# Altium PCB STM32F207VC.PcbDoc (part 9 of 16)
Units mm, origin at the board's own origin, x right, y up, seen from the top; angles counter-clockwise.
Board outline 99.19 x 99.95 mm, 2 copper layers (Top Layer, Bottom Layer); 127 components, 125 nets, 570 pads, 172 vias.
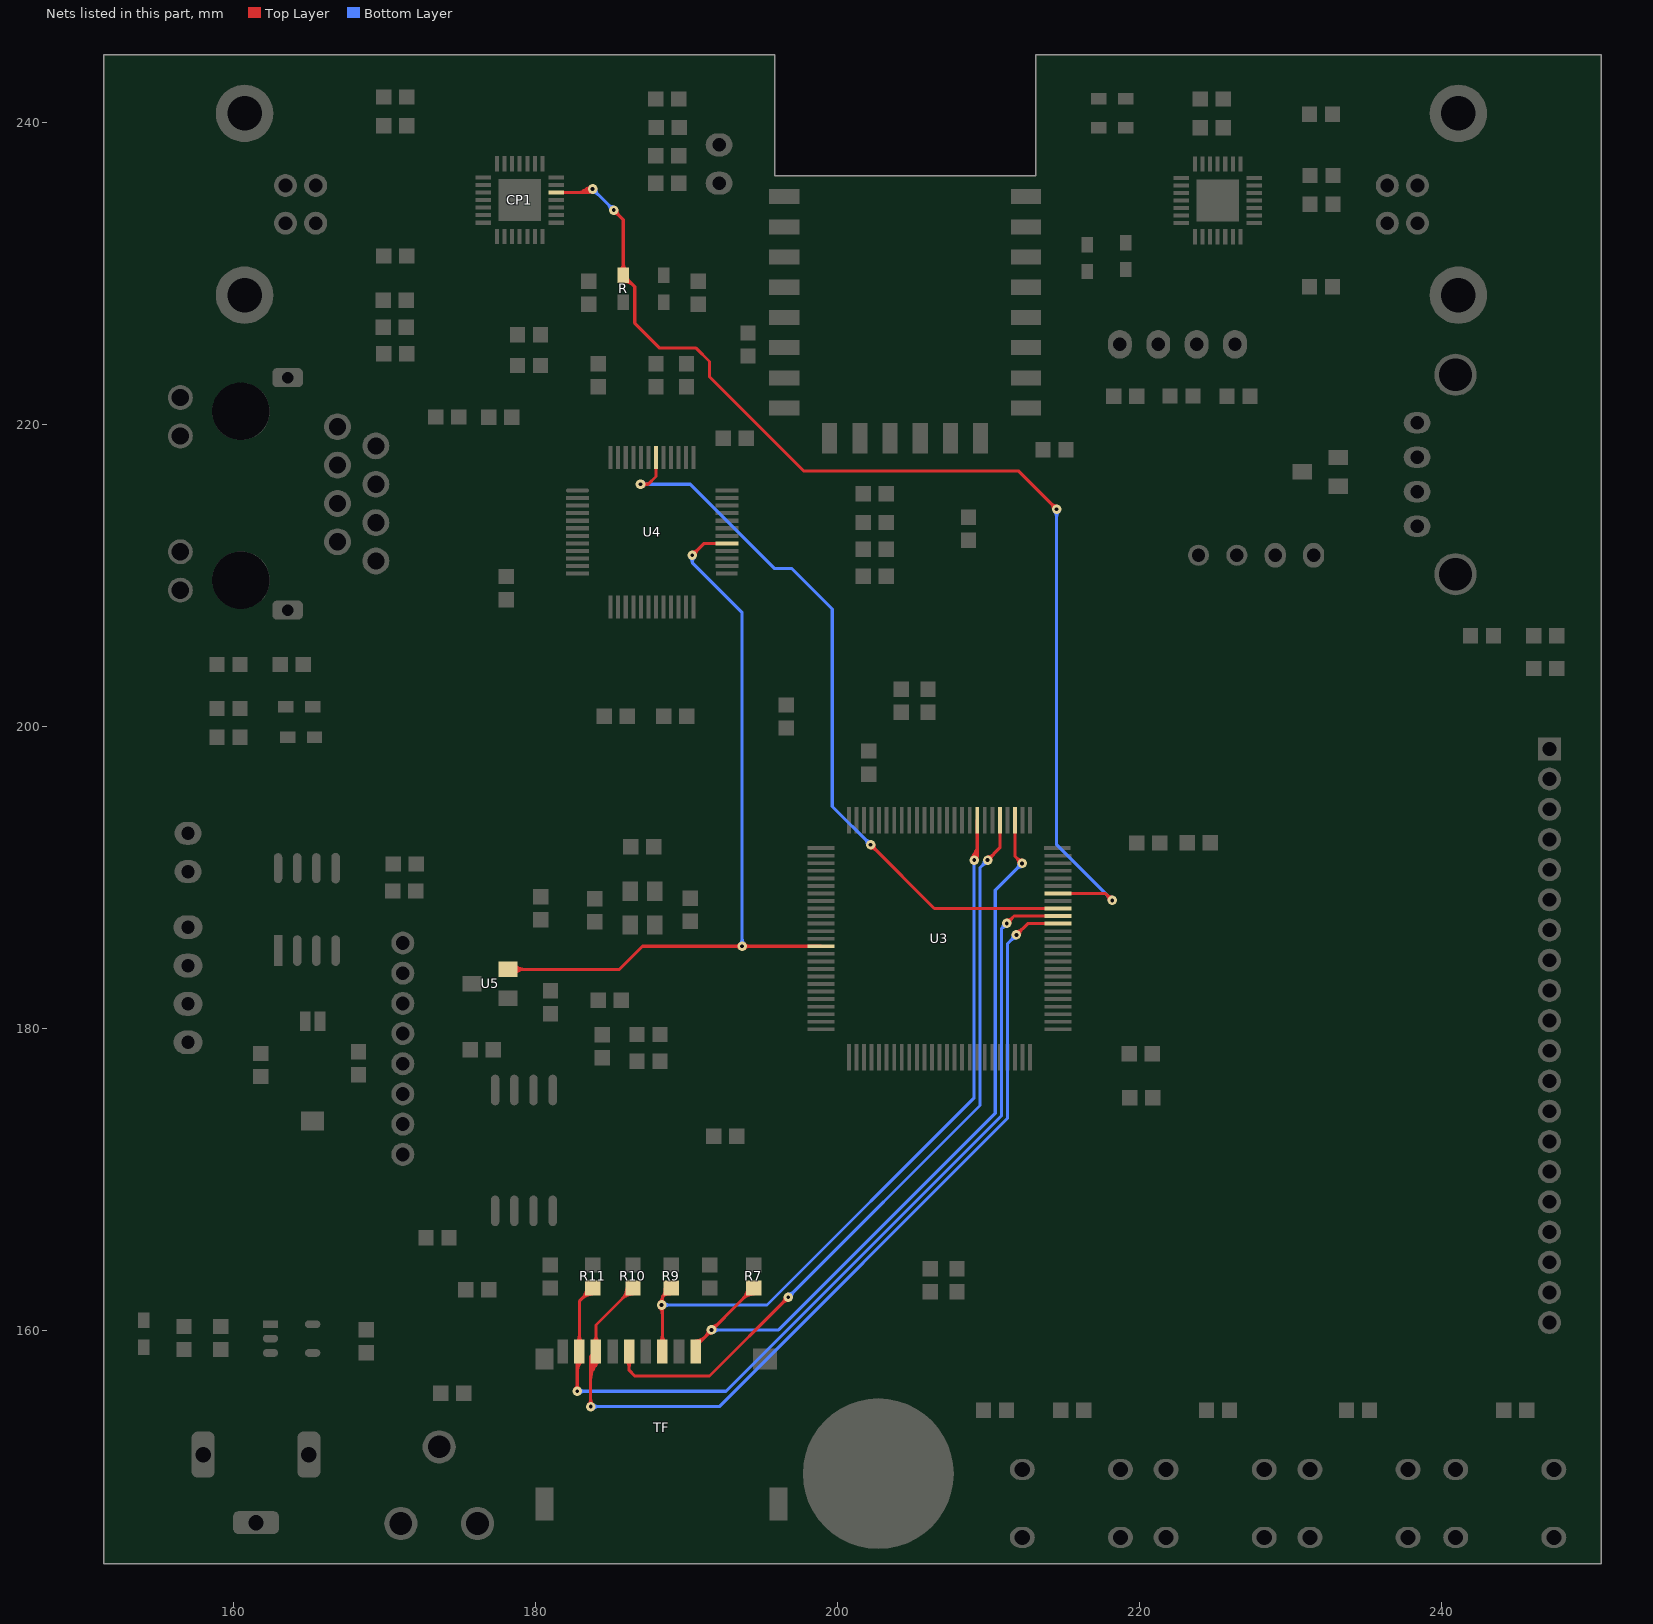
[diagram p9: the nets of this part, all layers, seen from the top]

## Via types
v1: diameter 0.635, hole 0.254, Top Layer to Bottom Layer, tented both sides, 152 vias
v2: diameter 0.635, hole 0.406, Top Layer to Bottom Layer, 18 vias
v3: diameter 1, hole 1, Top Layer to Bottom Layer, 2 vias

## Nets (pads, with @x,y where several pads share a name; then routed paths per layer and width w, separated by ;. In a path a pad name is that pad's centre, name@x,y a point inside that pad or via, vN(x,y) a via of type N, cw(c..) or ccw(c..) an arc to the next point about the centre after c; other vN are vias at no path point) (continued)
MCU_PHY_CLK: U3.67 U4.42 | length 67.6
  Top Layer w0.203: v1(186.944,216.027) 187.452,216.027 ; U4.42@187.965,217.815 187.965,216.54 187.452,216.027 ; v1(202.184,192.151) 206.407,187.928 U3.67@214.595,187.928 ; v1@187.099,215.877 cw(c187.452,215.537) 187.452,216.027 ; v1@187.099,215.877 cw(c187.452,215.537) 187.452,216.027 ; v1@187.099,215.877 cw(c187.452,215.537) 187.452,216.027 ; v1@187.099,215.877 cw(c187.452,215.537) 187.452,216.027 ; v1@187.099,216.177 ccw(c187.452,216.517) 187.452,216.027 ; v1@187.099,216.177 ccw(c187.452,216.517) 187.452,216.027 ; v1@187.099,216.177 ccw(c187.452,216.517) 187.452,216.027 ; v1@187.099,216.177 ccw(c187.452,216.517) 187.452,216.027 ; v1@202.181,192.139 cw(c202.104,191.759) 202.478,191.859 ; v1@202.181,192.139 cw(c202.104,191.759) 202.478,191.859 ; v1@202.181,192.139 cw(c202.104,191.759) 202.478,191.859 ; v1@202.181,192.139 cw(c202.104,191.759) 202.478,191.859 ; v1@202.181,192.139 cw(c202.104,191.759) 202.478,191.859 ; v1@202.181,192.139 cw(c202.104,191.759) 202.478,191.859 ; v1@202.184,191.935 cw(c202.184,191.414) 202.553,191.782 ; v1@202.184,191.935 cw(c202.184,191.414) 202.553,191.782 ; v1@202.184,191.935 cw(c202.184,191.414) 202.553,191.782 ; v1@202.184,191.935 cw(c202.184,191.414) 202.553,191.782 ; v1@202.196,192.154 ccw(c202.576,192.231) 202.476,191.857 ; v1@202.196,192.154 ccw(c202.576,192.231) 202.476,191.857 ; v1@202.196,192.154 ccw(c202.576,192.231) 202.476,191.857 ; v1@202.196,192.154 ccw(c202.576,192.231) 202.476,191.857 ; v1@202.196,192.154 ccw(c202.576,192.231) 202.476,191.857 ; v1@202.196,192.154 ccw(c202.576,192.231) 202.476,191.857 ; v1@202.4,192.151 ccw(c202.921,192.151) 202.553,191.782 ; v1@202.4,192.151 ccw(c202.921,192.151) 202.553,191.782 ; v1@202.4,192.151 ccw(c202.921,192.151) 202.553,191.782 ; v1@202.4,192.151 ccw(c202.921,192.151) 202.553,191.782
  Bottom Layer w0.203: v1(186.944,216.027) 190.246,216.027 195.834,210.439 196.977,210.439 199.644,207.772 199.644,194.691 v1(202.184,192.151) ; v1@187.097,215.874 cw(c187.465,215.506) 187.465,216.027 ; v1@187.097,215.874 cw(c187.465,215.506) 187.465,216.027 ; v1@187.097,215.874 cw(c187.465,215.506) 187.465,216.027 ; v1@187.097,215.874 cw(c187.465,215.506) 187.465,216.027 ; v1@187.097,216.18 ccw(c187.465,216.548) 187.465,216.027 ; v1@187.097,216.18 ccw(c187.465,216.548) 187.465,216.027 ; v1@187.097,216.18 ccw(c187.465,216.548) 187.465,216.027 ; v1@187.097,216.18 ccw(c187.465,216.548) 187.465,216.027 ; 201.815,192.52 cw(c201.447,192.151) v1@201.968,192.151 ; 201.815,192.52 ccw(c202.184,192.888) v1@202.184,192.367 ; 201.815,192.52 cw(c201.447,192.151) v1@201.968,192.151 ; 201.815,192.52 ccw(c202.184,192.888) v1@202.184,192.367 ; 201.815,192.52 ccw(c202.184,192.888) v1@202.184,192.367 ; 201.815,192.52 cw(c201.447,192.151) v1@201.968,192.151 ; 201.815,192.52 ccw(c202.184,192.888) v1@202.184,192.367 ; 201.815,192.52 cw(c201.447,192.151) v1@201.968,192.151
MCU_RST: U3.14 U4.29 U5.2 | length 78.8
  Top Layer w0.203: U5.2@178.168,183.896 185.547,183.896 187.079,185.428 v1(193.675,185.428) U3.14@198.895,185.428 ; v1(190.373,211.328) 191.157,212.112 U4.29@192.668,212.112 ; U5.2@178.582,183.609 cw(c179.276,182.915) 179.276,183.896 ; U5.2@178.582,183.609 cw(c179.276,182.915) 179.276,183.896 ; U5.2@178.582,183.609 cw(c179.276,182.915) 179.276,183.896 ; U5.2@178.582,183.609 cw(c179.276,182.915) 179.276,183.896 ; U5.2@178.582,184.183 ccw(c179.276,184.877) 179.276,183.896 ; U5.2@178.582,184.183 ccw(c179.276,184.877) 179.276,183.896 ; U5.2@178.582,184.183 ccw(c179.276,184.877) 179.276,183.896 ; U5.2@178.582,184.183 ccw(c179.276,184.877) 179.276,183.896 ; v1@190.37,211.34 ccw(c190.293,211.72) 190.667,211.62 ; v1@190.37,211.34 ccw(c190.293,211.72) 190.667,211.62 ; v1@190.37,211.34 ccw(c190.293,211.72) 190.667,211.62 ; v1@190.37,211.34 ccw(c190.293,211.72) 190.667,211.62 ; v1@190.37,211.34 ccw(c190.293,211.72) 190.667,211.62 ; v1@190.37,211.34 ccw(c190.293,211.72) 190.667,211.62 ; v1@190.373,211.544 ccw(c190.373,212.065) 190.742,211.697 ; v1@190.373,211.544 ccw(c190.373,212.065) 190.742,211.697 ; v1@190.373,211.544 ccw(c190.373,212.065) 190.742,211.697 ; v1@190.373,211.544 ccw(c190.373,212.065) 190.742,211.697 ; v1@190.385,211.325 cw(c190.765,211.248) 190.665,211.622 ; v1@190.385,211.325 cw(c190.765,211.248) 190.665,211.622 ; v1@190.385,211.325 cw(c190.765,211.248) 190.665,211.622 ; v1@190.385,211.325 cw(c190.765,211.248) 190.665,211.622 ; v1@190.385,211.325 cw(c190.765,211.248) 190.665,211.622 ; v1@190.385,211.325 cw(c190.765,211.248) 190.665,211.622 ; v1@190.589,211.328 cw(c191.11,211.328) 190.742,211.697 ; v1@190.589,211.328 cw(c191.11,211.328) 190.742,211.697 ; v1@190.589,211.328 cw(c191.11,211.328) 190.742,211.697 ; v1@190.589,211.328 cw(c191.11,211.328) 190.742,211.697 ; 193.154,185.428 cw(c193.154,184.907) v1@193.522,185.275 ; 193.154,185.428 ccw(c193.154,185.949) v1@193.522,185.581 ; 193.154,185.428 cw(c193.154,184.907) v1@193.522,185.275 ; 193.154,185.428 ccw(c193.154,185.949) v1@193.522,185.581 ; 193.154,185.428 ccw(c193.154,185.949) v1@193.522,185.581 ; 193.154,185.428 cw(c193.154,184.907) v1@193.522,185.275 ; 193.154,185.428 ccw(c193.154,185.949) v1@193.522,185.581 ; 193.154,185.428 cw(c193.154,184.907) v1@193.522,185.275 ; v1@193.828,185.275 cw(c194.196,184.907) 194.196,185.428 ; v1@193.828,185.275 cw(c194.196,184.907) 194.196,185.428 ; v1@193.828,185.275 cw(c194.196,184.907) 194.196,185.428 ; v1@193.828,185.275 cw(c194.196,184.907) 194.196,185.428 ; v1@193.828,185.581 ccw(c194.196,185.949) 194.196,185.428 ; v1@193.828,185.581 ccw(c194.196,185.949) 194.196,185.428 ; v1@193.828,185.581 ccw(c194.196,185.949) 194.196,185.428 ; v1@193.828,185.581 ccw(c194.196,185.949) 194.196,185.428
  Bottom Layer w0.203: v1(190.373,211.328) 190.373,210.82 ; v1(193.675,185.428) 193.675,207.518 190.373,210.82 ; v1@190.223,211.173 cw(c189.883,210.82) 190.373,210.82 ; v1@190.223,211.173 cw(c189.883,210.82) 190.373,210.82 ; v1@190.223,211.173 cw(c189.883,210.82) 190.373,210.82 ; v1@190.223,211.173 cw(c189.883,210.82) 190.373,210.82 ; 190.373,210.82 cw(c190.863,210.82) v1@190.523,211.173 ; 190.373,210.82 cw(c190.863,210.82) v1@190.523,211.173 ; 190.373,210.82 cw(c190.863,210.82) v1@190.523,211.173 ; 190.373,210.82 cw(c190.863,210.82) v1@190.523,211.173 ; v1@193.522,185.581 ccw(c193.154,185.949) 193.675,185.949 ; v1@193.522,185.581 ccw(c193.154,185.949) 193.675,185.949 ; v1@193.522,185.581 ccw(c193.154,185.949) 193.675,185.949 ; v1@193.522,185.581 ccw(c193.154,185.949) 193.675,185.949 ; 193.675,185.949 ccw(c194.196,185.949) v1@193.828,185.581 ; 193.675,185.949 ccw(c194.196,185.949) v1@193.828,185.581 ; 193.675,185.949 ccw(c194.196,185.949) v1@193.828,185.581 ; 193.675,185.949 ccw(c194.196,185.949) v1@193.828,185.581
MCU_RXD: CP1.26 R.2@185.801,229.87 U3.69 | length 148
  Top Layer w0.203: CP1.26@181.356,235.348 183.532,235.348 ; v1(183.769,235.585) 183.532,235.348 ; v1(185.166,234.188) 185.801,233.553 R.2@185.801,229.87 186.563,229.108 186.563,226.695 188.214,225.044 190.627,225.044 191.516,224.155 191.516,223.139 197.739,216.916 211.963,216.916 v1(214.503,214.376) ; U3.69@214.595,188.928 217.726,188.928 v1(218.186,188.468) ; 182.677,235.348 ccw(c182.677,236.677) v1@183.616,235.738 ; 182.677,235.348 ccw(c182.677,236.677) v1@183.616,235.738 ; 182.677,235.348 ccw(c182.677,236.677) v1@183.616,235.738 ; 182.677,235.348 ccw(c182.677,236.677) v1@183.616,235.738 ; 183.125,235.454 cw(c183.352,235.061) v1@183.635,235.416 ; 183.125,235.454 cw(c183.352,235.061) v1@183.635,235.416 ; 183.125,235.454 cw(c183.352,235.061) v1@183.635,235.416 ; 183.125,235.454 cw(c183.352,235.061) v1@183.635,235.416 ; 183.125,235.454 cw(c183.352,235.061) v1@183.635,235.416 ; 183.167,235.348 ccw(c183.167,236.187) v1@183.76,235.594 ; 183.167,235.348 ccw(c183.167,236.187) v1@183.76,235.594 ; 183.167,235.348 ccw(c183.167,236.187) v1@183.76,235.594 ; 183.167,235.348 ccw(c183.167,236.187) v1@183.76,235.594 ; 183.383,235.603 cw(c183.552,235.312) v1@183.761,235.575 ; 183.383,235.603 cw(c183.552,235.312) v1@183.761,235.575 ; 183.383,235.603 cw(c183.552,235.312) v1@183.761,235.575 ; 183.383,235.603 cw(c183.552,235.312) v1@183.761,235.575 ; 183.383,235.603 cw(c183.552,235.312) v1@183.761,235.575 ; 183.39,235.381 cw(c183.542,235.117) v1@183.675,235.391 ; 183.39,235.381 ccw(c183.22,235.675) v1@183.556,235.62 ; 183.39,235.381 cw(c183.542,235.117) v1@183.675,235.391 ; 183.39,235.381 ccw(c183.22,235.675) v1@183.556,235.62 ; 183.39,235.381 cw(c183.542,235.117) v1@183.675,235.391 ; 183.39,235.381 ccw(c183.22,235.675) v1@183.556,235.62 ; 183.39,235.381 ccw(c183.22,235.675) v1@183.556,235.62 ; 183.39,235.381 cw(c183.542,235.117) v1@183.675,235.391 ; 183.39,235.381 ccw(c183.22,235.675) v1@183.556,235.62 ; 183.39,235.381 cw(c183.542,235.117) v1@183.675,235.391 ; 183.39,235.381 ccw(c183.22,235.675) v1@183.556,235.62 ; 183.39,235.381 cw(c183.542,235.117) v1@183.675,235.391 ; 183.532,235.348 cw(c183.639,235.241) v1@183.693,235.383 ; 183.532,235.348 ccw(c183.425,235.455) v1@183.567,235.509 ; 183.532,235.348 cw(c183.639,235.241) v1@183.693,235.383 ; 183.532,235.348 ccw(c183.425,235.455) v1@183.567,235.509 ; 183.532,235.348 ccw(c183.425,235.455) v1@183.567,235.509 ; 183.532,235.348 cw(c183.639,235.241) v1@183.693,235.383 ; 183.532,235.348 ccw(c183.425,235.455) v1@183.567,235.509 ; 183.532,235.348 cw(c183.639,235.241) v1@183.693,235.383 ; v1@185.163,234.176 cw(c185.086,233.796) 185.46,233.896 ; v1@185.163,234.176 cw(c185.086,233.796) 185.46,233.896 ; v1@185.163,234.176 cw(c185.086,233.796) 185.46,233.896 ; v1@185.163,234.176 cw(c185.086,233.796) 185.46,233.896 ; v1@185.163,234.176 cw(c185.086,233.796) 185.46,233.896 ; v1@185.163,234.176 cw(c185.086,233.796) 185.46,233.896 ; v1@185.166,233.972 cw(c185.166,233.451) 185.535,233.819 ; v1@185.166,233.972 cw(c185.166,233.451) 185.535,233.819 ; v1@185.166,233.972 cw(c185.166,233.451) 185.535,233.819 ; v1@185.166,233.972 cw(c185.166,233.451) 185.535,233.819 ; v1@185.178,234.191 ccw(c185.558,234.268) 185.458,233.894 ; v1@185.178,234.191 ccw(c185.558,234.268) 185.458,233.894 ; v1@185.178,234.191 ccw(c185.558,234.268) 185.458,233.894 ; v1@185.178,234.191 ccw(c185.558,234.268) 185.458,233.894 ; v1@185.178,234.191 ccw(c185.558,234.268) 185.458,233.894 ; v1@185.178,234.191 ccw(c185.558,234.268) 185.458,233.894 ; v1@185.382,234.188 ccw(c185.903,234.188) 185.535,233.819 ; v1@185.382,234.188 ccw(c185.903,234.188) 185.535,233.819 ; v1@185.382,234.188 ccw(c185.903,234.188) 185.535,233.819 ; v1@185.382,234.188 ccw(c185.903,234.188) 185.535,233.819 ; R.2@185.603,230.195 ccw(c185.126,230.672) 185.801,230.672 ; R.2@185.603,230.195 ccw(c185.126,230.672) 185.801,230.672 ; R.2@185.603,230.195 ccw(c185.126,230.672) 185.801,230.672 ; R.2@185.603,230.195 ccw(c185.126,230.672) 185.801,230.672 ; R.2@185.681,229.7 ccw(c186.113,229.854) R.2@185.994,229.412 ; R.2@185.681,229.7 ccw(c186.113,229.854) R.2@185.994,229.412 ; R.2@185.681,229.7 ccw(c186.113,229.854) R.2@185.994,229.412 ; R.2@185.681,229.7 ccw(c186.113,229.854) R.2@185.994,229.412 ; R.2@185.681,229.7 ccw(c186.113,229.854) R.2@185.994,229.412 ; R.2@185.801,229.464 cw(c185.801,228.482) 186.495,229.176 ; R.2@185.801,229.464 cw(c185.801,228.482) 186.495,229.176 ; R.2@185.801,229.464 cw(c185.801,228.482) 186.495,229.176 ; R.2@185.801,229.464 cw(c185.801,228.482) 186.495,229.176 ; R.2@185.801,229.667 cw(c185.801,229.176) R.2@186.148,229.523 ; R.2@185.801,229.667 cw(c185.801,229.176) R.2@186.148,229.523 ; R.2@185.801,229.667 cw(c185.801,229.176) R.2@186.148,229.523 ; R.2@185.801,229.667 cw(c185.801,229.176) R.2@186.148,229.523 ; 185.801,230.672 ccw(c186.476,230.672) R.2@185.999,230.195 ; 185.801,230.672 ccw(c186.476,230.672) R.2@185.999,230.195 ; 185.801,230.672 ccw(c186.476,230.672) R.2@185.999,230.195 ; 185.801,230.672 ccw(c186.476,230.672) R.2@185.999,230.195 ; R.2@185.873,229.769 ccw(c186.557,230.013) 186.369,229.311 ; R.2@185.873,229.769 ccw(c186.557,230.013) 186.369,229.311 ; R.2@185.873,229.769 ccw(c186.557,230.013) 186.369,229.311 ; R.2@185.873,229.769 ccw(c186.557,230.013) 186.369,229.311 ; R.2@185.873,229.769 ccw(c186.557,230.013) 186.369,229.311 ; R.2@186.08,229.743 ccw(c186.448,229.743) 186.188,229.483 ; R.2@186.08,229.743 ccw(c186.448,229.743) 186.188,229.483 ; R.2@186.08,229.743 ccw(c186.448,229.743) 186.188,229.483 ; R.2@186.08,229.743 ccw(c186.448,229.743) 186.188,229.483 ; 214.134,214.745 cw(c213.766,214.376) v1@214.287,214.376 ; 214.134,214.745 ccw(c214.503,215.113) v1@214.503,214.592 ; 214.134,214.745 cw(c213.766,214.376) v1@214.287,214.376 ; 214.134,214.745 ccw(c214.503,215.113) v1@214.503,214.592 ; 214.134,214.745 ccw(c214.503,215.113) v1@214.503,214.592 ; 214.134,214.745 cw(c213.766,214.376) v1@214.287,214.376 ; 214.134,214.745 ccw(c214.503,215.113) v1@214.503,214.592 ; 214.134,214.745 cw(c213.766,214.376) v1@214.287,214.376 ; 214.209,214.668 ccw(c214.583,214.768) v1@214.506,214.388 ; 214.209,214.668 ccw(c214.583,214.768) v1@214.506,214.388 ; 214.209,214.668 ccw(c214.583,214.768) v1@214.506,214.388 ; 214.209,214.668 ccw(c214.583,214.768) v1@214.506,214.388 ; 214.209,214.668 ccw(c214.583,214.768) v1@214.506,214.388 ; 214.209,214.668 ccw(c214.583,214.768) v1@214.506,214.388 ; 214.211,214.67 cw(c214.111,214.296) v1@214.491,214.373 ; 214.211,214.67 cw(c214.111,214.296) v1@214.491,214.373 ; 214.211,214.67 cw(c214.111,214.296) v1@214.491,214.373 ; 214.211,214.67 cw(c214.111,214.296) v1@214.491,214.373 ; 214.211,214.67 cw(c214.111,214.296) v1@214.491,214.373 ; 214.211,214.67 cw(c214.111,214.296) v1@214.491,214.373 ; 217.817,188.837 cw(c217.449,188.468) v1@217.97,188.468 ; 217.817,188.837 ccw(c218.186,189.205) v1@218.186,188.684 ; 217.817,188.837 cw(c217.449,188.468) v1@217.97,188.468 ; 217.817,188.837 ccw(c218.186,189.205) v1@218.186,188.684 ; 217.817,188.837 ccw(c218.186,189.205) v1@218.186,188.684 ; 217.817,188.837 cw(c217.449,188.468) v1@217.97,188.468 ; 217.817,188.837 ccw(c218.186,189.205) v1@218.186,188.684 ; 217.817,188.837 cw(c217.449,188.468) v1@217.97,188.468 ; 217.892,188.76 ccw(c218.266,188.86) v1@218.189,188.48 ; 217.892,188.76 ccw(c218.266,188.86) v1@218.189,188.48 ; 217.892,188.76 ccw(c218.266,188.86) v1@218.189,188.48 ; 217.892,188.76 ccw(c218.266,188.86) v1@218.189,188.48 ; 217.892,188.76 ccw(c218.266,188.86) v1@218.189,188.48 ; 217.892,188.76 ccw(c218.266,188.86) v1@218.189,188.48 ; 217.894,188.762 cw(c217.794,188.388) v1@218.174,188.465 ; 217.894,188.762 cw(c217.794,188.388) v1@218.174,188.465 ; 217.894,188.762 cw(c217.794,188.388) v1@218.174,188.465 ; 217.894,188.762 cw(c217.794,188.388) v1@218.174,188.465 ; 217.894,188.762 cw(c217.794,188.388) v1@218.174,188.465 ; 217.894,188.762 cw(c217.794,188.388) v1@218.174,188.465
  Bottom Layer w0.203: v1(183.769,235.585) v1(185.166,234.188) ; v1(214.503,214.376) 214.503,192.151 v1(218.186,188.468) ; v1@183.769,235.369 cw(c183.769,234.848) 184.138,235.216 ; v1@183.769,235.369 cw(c183.769,234.848) 184.138,235.216 ; v1@183.769,235.369 cw(c183.769,234.848) 184.138,235.216 ; v1@183.769,235.369 cw(c183.769,234.848) 184.138,235.216 ; v1@183.985,235.585 ccw(c184.506,235.585) 184.138,235.216 ; v1@183.985,235.585 ccw(c184.506,235.585) 184.138,235.216 ; v1@183.985,235.585 ccw(c184.506,235.585) 184.138,235.216 ; v1@183.985,235.585 ccw(c184.506,235.585) 184.138,235.216 ; 184.797,234.557 cw(c184.429,234.188) v1@184.95,234.188 ; 184.797,234.557 ccw(c185.166,234.925) v1@185.166,234.404 ; 184.797,234.557 cw(c184.429,234.188) v1@184.95,234.188 ; 184.797,234.557 ccw(c185.166,234.925) v1@185.166,234.404 ; 184.797,234.557 ccw(c185.166,234.925) v1@185.166,234.404 ; 184.797,234.557 cw(c184.429,234.188) v1@184.95,234.188 ; 184.797,234.557 ccw(c185.166,234.925) v1@185.166,234.404 ; 184.797,234.557 cw(c184.429,234.188) v1@184.95,234.188 ; v1@214.35,214.223 cw(c213.982,213.855) 214.503,213.855 ; v1@214.35,214.223 cw(c213.982,213.855) 214.503,213.855 ; v1@214.35,214.223 cw(c213.982,213.855) 214.503,213.855 ; v1@214.35,214.223 cw(c213.982,213.855) 214.503,213.855 ; 214.503,213.855 cw(c215.024,213.855) v1@214.656,214.223 ; 214.503,213.855 cw(c215.024,213.855) v1@214.656,214.223 ; 214.503,213.855 cw(c215.024,213.855) v1@214.656,214.223 ; 214.503,213.855 cw(c215.024,213.855) v1@214.656,214.223 ; 217.817,188.837 cw(c217.449,188.468) v1@217.97,188.468 ; 217.817,188.837 ccw(c218.186,189.205) v1@218.186,188.684 ; 217.817,188.837 cw(c217.449,188.468) v1@217.97,188.468 ; 217.817,188.837 ccw(c218.186,189.205) v1@218.186,188.684 ; 217.817,188.837 ccw(c218.186,189.205) v1@218.186,188.684 ; 217.817,188.837 cw(c217.449,188.468) v1@217.97,188.468 ; 217.817,188.837 ccw(c218.186,189.205) v1@218.186,188.684 ; 217.817,188.837 cw(c217.449,188.468) v1@217.97,188.468
MCU_SDIO_CLK: TF.5 U3.80 | length 78.7
  Top Layer w0.203: TF.5@186.191,158.593 186.191,157.344 186.563,156.972 191.516,156.972 v1(196.723,162.179) ; v1(209.931,191.135) 210.745,191.949 U3.80@210.745,193.778 ; TF.5@186.015,157.967 cw(c185.591,157.543) 186.191,157.543 ; TF.5@186.015,157.967 cw(c185.591,157.543) 186.191,157.543 ; TF.5@186.015,157.967 cw(c185.591,157.543) 186.191,157.543 ; TF.5@186.015,157.967 cw(c185.591,157.543) 186.191,157.543 ; 186.191,157.543 cw(c186.791,157.543) TF.5@186.367,157.967 ; 186.191,157.543 cw(c186.791,157.543) TF.5@186.367,157.967 ; 186.191,157.543 cw(c186.791,157.543) TF.5@186.367,157.967 ; 186.191,157.543 cw(c186.791,157.543) TF.5@186.367,157.967 ; 196.354,161.81 cw(c196.723,161.442) v1@196.723,161.963 ; 196.354,161.81 ccw(c195.986,162.179) v1@196.507,162.179 ; 196.354,161.81 cw(c196.723,161.442) v1@196.723,161.963 ; 196.354,161.81 ccw(c195.986,162.179) v1@196.507,162.179 ; 196.354,161.81 ccw(c195.986,162.179) v1@196.507,162.179 ; 196.354,161.81 cw(c196.723,161.442) v1@196.723,161.963 ; 196.354,161.81 ccw(c195.986,162.179) v1@196.507,162.179 ; 196.354,161.81 cw(c196.723,161.442) v1@196.723,161.963 ; 196.429,161.887 cw(c196.803,161.787) v1@196.726,162.167 ; 196.429,161.887 cw(c196.803,161.787) v1@196.726,162.167 ; 196.429,161.887 cw(c196.803,161.787) v1@196.726,162.167 ; 196.429,161.887 cw(c196.803,161.787) v1@196.726,162.167 ; 196.429,161.887 cw(c196.803,161.787) v1@196.726,162.167 ; 196.429,161.887 cw(c196.803,161.787) v1@196.726,162.167 ; 196.431,161.885 ccw(c196.331,162.259) v1@196.711,162.182 ; 196.431,161.885 ccw(c196.331,162.259) v1@196.711,162.182 ; 196.431,161.885 ccw(c196.331,162.259) v1@196.711,162.182 ; 196.431,161.885 ccw(c196.331,162.259) v1@196.711,162.182 ; 196.431,161.885 ccw(c196.331,162.259) v1@196.711,162.182 ; 196.431,161.885 ccw(c196.331,162.259) v1@196.711,162.182 ; v1@209.928,191.147 ccw(c209.851,191.527) 210.225,191.427 ; v1@209.928,191.147 ccw(c209.851,191.527) 210.225,191.427 ; v1@209.928,191.147 ccw(c209.851,191.527) 210.225,191.427 ; v1@209.928,191.147 ccw(c209.851,191.527) 210.225,191.427 ; v1@209.928,191.147 ccw(c209.851,191.527) 210.225,191.427 ; v1@209.928,191.147 ccw(c209.851,191.527) 210.225,191.427 ; v1@209.931,191.351 ccw(c209.931,191.872) 210.3,191.504 ; v1@209.931,191.351 ccw(c209.931,191.872) 210.3,191.504 ; v1@209.931,191.351 ccw(c209.931,191.872) 210.3,191.504 ; v1@209.931,191.351 ccw(c209.931,191.872) 210.3,191.504 ; v1@209.943,191.132 cw(c210.323,191.055) 210.223,191.429 ; v1@209.943,191.132 cw(c210.323,191.055) 210.223,191.429 ; v1@209.943,191.132 cw(c210.323,191.055) 210.223,191.429 ; v1@209.943,191.132 cw(c210.323,191.055) 210.223,191.429 ; v1@209.943,191.132 cw(c210.323,191.055) 210.223,191.429 ; v1@209.943,191.132 cw(c210.323,191.055) 210.223,191.429 ; v1@210.147,191.135 cw(c210.668,191.135) 210.3,191.504 ; v1@210.147,191.135 cw(c210.668,191.135) 210.3,191.504 ; v1@210.147,191.135 cw(c210.668,191.135) 210.3,191.504 ; v1@210.147,191.135 cw(c210.668,191.135) 210.3,191.504
  Bottom Layer w0.203: v1(196.723,162.179) 209.423,174.879 209.423,190.627 v1(209.931,191.135) ; v1@196.723,162.395 ccw(c196.723,162.916) 197.092,162.548 ; v1@196.723,162.395 ccw(c196.723,162.916) 197.092,162.548 ; v1@196.723,162.395 ccw(c196.723,162.916) 197.092,162.548 ; v1@196.723,162.395 ccw(c196.723,162.916) 197.092,162.548 ; v1@196.939,162.179 cw(c197.46,162.179) 197.092,162.548 ; v1@196.939,162.179 cw(c197.46,162.179) 197.092,162.548 ; v1@196.939,162.179 cw(c197.46,162.179) 197.092,162.548 ; v1@196.939,162.179 cw(c197.46,162.179) 197.092,162.548 ; 209.562,190.766 cw(c209.931,190.398) v1@209.931,190.919 ; 209.562,190.766 ccw(c209.194,191.135) v1@209.715,191.135 ; 209.562,190.766 cw(c209.931,190.398) v1@209.931,190.919 ; 209.562,190.766 ccw(c209.194,191.135) v1@209.715,191.135 ; 209.562,190.766 ccw(c209.194,191.135) v1@209.715,191.135 ; 209.562,190.766 cw(c209.931,190.398) v1@209.931,190.919 ; 209.562,190.766 ccw(c209.194,191.135) v1@209.715,191.135 ; 209.562,190.766 cw(c209.931,190.398) v1@209.931,190.919
MCU_SDIO_CMD: R9.1 TF.3 U3.83 | length 80.1
  Top Layer w0.203: TF.3@188.391,158.593 v1@188.391,161.621 ; v1@188.391,161.671 188.391,162.206 ; R9.1@188.982,162.797 188.391,162.206 ; v1(209.042,191.135) 209.245,191.338 U3.83@209.245,193.778 ; v1@188.188,161.518 cw(c187.699,161.029) 188.391,161.029 ; v1@188.188,161.518 cw(c187.699,161.029) 188.391,161.029 ; v1@188.188,161.518 cw(c187.699,161.029) 188.391,161.029 ; v1@188.188,161.518 cw(c187.699,161.029) 188.391,161.029 ; v1@188.211,161.843 ccw(c187.936,162.206) 188.391,162.206 ; v1@188.211,161.843 ccw(c187.936,162.206) 188.391,162.206 ; v1@188.211,161.843 ccw(c187.936,162.206) 188.391,162.206 ; v1@188.211,161.843 ccw(c187.936,162.206) 188.391,162.206 ; TF.3@188.215,159.219 ccw(c187.791,159.643) 188.391,159.643 ; TF.3@188.215,159.219 ccw(c187.791,159.643) 188.391,159.643 ; TF.3@188.215,159.219 ccw(c187.791,159.643) 188.391,159.643 ; TF.3@188.215,159.219 ccw(c187.791,159.643) 188.391,159.643 ; 188.391,159.643 ccw(c188.991,159.643) TF.3@188.567,159.219 ; 188.391,159.643 ccw(c188.991,159.643) TF.3@188.567,159.219 ; 188.391,159.643 ccw(c188.991,159.643) TF.3@188.567,159.219 ; 188.391,159.643 ccw(c188.991,159.643) TF.3@188.567,159.219 ; 188.391,161.271 cw(c188.741,161.271) v1@188.494,161.518 ; 188.391,161.271 cw(c188.741,161.271) v1@188.494,161.518 ; 188.391,161.271 cw(c188.741,161.271) v1@188.494,161.518 ; 188.391,161.271 cw(c188.741,161.271) v1@188.494,161.518 ; 188.391,162.071 ccw(c188.741,162.071) v1@188.494,161.824 ; 188.391,162.071 ccw(c188.741,162.071) v1@188.494,161.824 ; 188.391,162.071 ccw(c188.741,162.071) v1@188.494,161.824 ; 188.391,162.071 ccw(c188.741,162.071) v1@188.494,161.824 ; 188.391,162.206 cw(c188.855,161.742) R9.1@188.933,162.393 ; 188.391,162.206 ccw(c187.927,162.67) R9.1@188.578,162.748 ; 188.391,162.206 cw(c188.855,161.742) R9.1@188.933,162.393 ; 188.391,162.206 ccw(c187.927,162.67) R9.1@188.578,162.748 ; 188.391,162.206 ccw(c187.927,162.67) R9.1@188.578,162.748 ; 188.391,162.206 cw(c188.855,161.742) R9.1@188.933,162.393 ; 188.391,162.206 ccw(c187.927,162.67) R9.1@188.578,162.748 ; 188.391,162.206 cw(c188.855,161.742) R9.1@188.933,162.393 ; v1@208.889,191.288 ccw(c208.031,192.146) 209.245,192.146 ; v1@208.889,191.288 ccw(c208.031,192.146) 209.245,192.146 ; v1@208.889,191.288 ccw(c208.031,192.146) 209.245,192.146 ; v1@208.889,191.288 ccw(c208.031,192.146) 209.245,192.146 ; 209.008,191.494 ccw(c209.262,191.347) v1@209.051,191.144 ; 209.008,191.494 ccw(c209.262,191.347) v1@209.051,191.144 ; 209.008,191.494 ccw(c209.262,191.347) v1@209.051,191.144 ; 209.008,191.494 ccw(c209.262,191.347) v1@209.051,191.144 ; 209.008,191.494 ccw(c209.262,191.347) v1@209.051,191.144 ; v1@209.033,191.144 ccw(c208.522,191.655) 209.245,191.655 ; v1@209.033,191.144 ccw(c208.522,191.655) 209.245,191.655 ; v1@209.033,191.144 ccw(c208.522,191.655) 209.245,191.655 ; v1@209.033,191.144 ccw(c208.522,191.655) 209.245,191.655 ; v1@209.033,191.351 ccw(c209.024,191.573) 209.217,191.462 ; v1@209.033,191.351 ccw(c209.024,191.573) 209.217,191.462 ; v1@209.033,191.351 ccw(c209.024,191.573) 209.217,191.462 ; v1@209.033,191.351 ccw(c209.024,191.573) 209.217,191.462 ; v1@209.033,191.351 ccw(c209.024,191.573) 209.217,191.462 ; v1@209.033,191.351 ccw(c209.024,191.573) 209.217,191.462 ; 209.143,191.727 ccw(c209.464,191.542) v1@209.197,191.285 ; 209.143,191.727 ccw(c209.464,191.542) v1@209.197,191.285 ; 209.143,191.727 ccw(c209.464,191.542) v1@209.197,191.285 ; 209.143,191.727 ccw(c209.464,191.542) v1@209.197,191.285 ; 209.143,191.727 ccw(c209.464,191.542) v1@209.197,191.285 ; 209.217,191.462 ccw(c209.389,191.362) v1@209.223,191.253 ; 209.217,191.462 ccw(c209.389,191.362) v1@209.223,191.253 ; 209.217,191.462 ccw(c209.389,191.362) v1@209.223,191.253 ; 209.217,191.462 ccw(c209.389,191.362) v1@209.223,191.253 ; 209.217,191.462 ccw(c209.389,191.362) v1@209.223,191.253 ; 209.217,191.462 ccw(c209.389,191.362) v1@209.223,191.253
  Bottom Layer w0.203: v1(188.341,161.671) 195.326,161.671 209.017,175.362 209.017,191.11 v1(209.042,191.135) ; v1@188.494,161.518 cw(c188.862,161.15) 188.862,161.671 ; v1@188.494,161.518 cw(c188.862,161.15) 188.862,161.671 ; v1@188.494,161.518 cw(c188.862,161.15) 188.862,161.671 ; v1@188.494,161.518 cw(c188.862,161.15) 188.862,161.671 ; v1@188.494,161.824 ccw(c188.862,162.192) 188.862,161.671 ; v1@188.494,161.824 ccw(c188.862,162.192) 188.862,161.671 ; v1@188.494,161.824 ccw(c188.862,162.192) 188.862,161.671 ; v1@188.494,161.824 ccw(c188.862,162.192) 188.862,161.671
MCU_SDIO_D0: R10.1 TF.7 U3.65 | length 123.4
  Top Layer w0.203: v1(183.642,154.94) 183.642,158.244 TF.7@183.991,158.593 183.991,160.346 R10.1@186.442,162.797 ; v1(211.836,186.182) 212.582,186.928 U3.65@214.595,186.928 ; v1@183.489,155.093 ccw(c183.121,155.461) 183.642,155.461 ; v1@183.489,155.093 ccw(c183.121,155.461) 183.642,155.461 ; v1@183.489,155.093 ccw(c183.121,155.461) 183.642,155.461 ; v1@183.489,155.093 ccw(c183.121,155.461) 183.642,155.461 ; 183.642,155.461 ccw(c184.163,155.461) v1@183.795,155.093 ; 183.642,155.461 ccw(c184.163,155.461) v1@183.795,155.093 ; 183.642,155.461 ccw(c184.163,155.461) v1@183.795,155.093 ; 183.642,155.461 ccw(c184.163,155.461) v1@183.795,155.093 ; 183.642,156.701 cw(c185.433,156.701) TF.7@184.167,157.967 ; 183.642,156.701 cw(c185.433,156.701) TF.7@184.167,157.967 ; 183.642,156.701 cw(c185.433,156.701) TF.7@184.167,157.967 ; 183.642,156.701 cw(c185.433,156.701) TF.7@184.167,157.967 ; 183.642,157.191 cw(c184.943,157.191) TF.7@184.023,158.111 ; 183.642,157.191 cw(c184.943,157.191) TF.7@184.023,158.111 ; 183.642,157.191 cw(c184.943,157.191) TF.7@184.023,158.111 ; 183.642,157.191 cw(c184.943,157.191) TF.7@184.023,158.111 ; 183.642,157.682 cw(c184.452,157.682) TF.7@183.879,158.255 ; 183.642,157.682 cw(c184.452,157.682) TF.7@183.879,158.255 ; 183.642,157.682 cw(c184.452,157.682) TF.7@183.879,158.255 ; 183.642,157.682 cw(c184.452,157.682) TF.7@183.879,158.255 ; TF.7@183.642,158.172 cw(c183.962,158.172) TF.7@183.736,158.398 ; TF.7@183.642,158.172 cw(c183.962,158.172) TF.7@183.736,158.398 ; TF.7@183.642,158.172 cw(c183.962,158.172) TF.7@183.736,158.398 ; TF.7@183.642,158.172 cw(c183.962,158.172) TF.7@183.736,158.398 ; 183.699,157.55 ccw(c183.142,157.871) TF.7@183.754,158.067 ; 183.699,157.55 ccw(c183.142,157.871) TF.7@183.754,158.067 ; 183.699,157.55 ccw(c183.142,157.871) TF.7@183.754,158.067 ; 183.699,157.55 ccw(c183.142,157.871) TF.7@183.754,158.067 ; 183.699,157.55 ccw(c183.142,157.871) TF.7@183.754,158.067 ; 183.699,157.55 ccw(c183.142,157.871) TF.7@183.754,158.067 ; 183.782,157.693 cw(c184.172,157.468) TF.7@184.055,157.903 ; 183.782,157.693 cw(c184.172,157.468) TF.7@184.055,157.903 ; 183.782,157.693 cw(c184.172,157.468) TF.7@184.055,157.903 ; 183.782,157.693 cw(c184.172,157.468) TF.7@184.055,157.903 ; 183.782,157.693 cw(c184.172,157.468) TF.7@184.055,157.903 ; 183.782,157.693 cw(c184.172,157.468) TF.7@184.055,157.903 ; TF.7@183.783,158.007 cw(c183.271,157.673) 183.793,157.355 ; TF.7@183.783,158.007 cw(c183.271,157.673) 183.793,157.355 ; TF.7@183.783,158.007 cw(c183.271,157.673) 183.793,157.355 ; TF.7@183.783,158.007 cw(c183.271,157.673) 183.793,157.355 ; TF.7@183.783,158.007 cw(c183.271,157.673) 183.793,157.355 ; TF.7@183.783,158.007 cw(c183.271,157.673) 183.793,157.355 ; TF.7@183.815,159.219 ccw(c183.391,159.643) 183.991,159.643 ; TF.7@183.815,159.219 ccw(c183.391,159.643) 183.991,159.643 ; TF.7@183.815,159.219 ccw(c183.391,159.643) 183.991,159.643 ; TF.7@183.815,159.219 ccw(c183.391,159.643) 183.991,159.643 ; TF.7@183.953,158.118 cw(c183.57,157.868) 183.96,157.63 ; TF.7@183.953,158.118 cw(c183.57,157.868) 183.96,157.63 ; TF.7@183.953,158.118 cw(c183.57,157.868) 183.96,157.63 ; TF.7@183.953,158.118 cw(c183.57,157.868) 183.96,157.63 ; TF.7@183.953,158.118 cw(c183.57,157.868) 183.96,157.63 ; TF.7@183.953,158.118 cw(c183.57,157.868) 183.96,157.63 ; 183.991,159.643 ccw(c184.591,159.643) TF.7@184.167,159.219 ; 183.991,159.643 ccw(c184.591,159.643) TF.7@184.167,159.219 ; 183.991,159.643 ccw(c184.591,159.643) TF.7@184.167,159.219 ; 183.991,159.643 ccw(c184.591,159.643) TF.7@184.167,159.219 ; 185.748,162.103 cw(c186.442,161.409) R10.1@186.442,162.39 ; 185.748,162.103 ccw(c185.054,162.797) R10.1@186.036,162.797 ; 185.748,162.103 cw(c186.442,161.409) R10.1@186.442,162.39 ; 185.748,162.103 ccw(c185.054,162.797) R10.1@186.036,162.797 ; 185.748,162.103 ccw(c185.054,162.797) R10.1@186.036,162.797 ; 185.748,162.103 cw(c186.442,161.409) R10.1@186.442,162.39 ; 185.748,162.103 ccw(c185.054,162.797) R10.1@186.036,162.797 ; 185.748,162.103 cw(c186.442,161.409) R10.1@186.442,162.39 ; 185.898,162.285 cw(c186.584,162.101) R10.1@186.442,162.797 ; 185.898,162.285 cw(c186.584,162.101) R10.1@186.442,162.797 ; 185.898,162.285 cw(c186.584,162.101) R10.1@186.442,162.797 ; 185.898,162.285 cw(c186.584,162.101) R10.1@186.442,162.797 ; 185.898,162.285 cw(c186.584,162.101) R10.1@186.442,162.797 ; 185.898,162.285 cw(c186.584,162.101) R10.1@186.442,162.797 ; 185.93,162.253 ccw(c185.746,162.939) R10.1@186.442,162.797 ; 185.93,162.253 ccw(c185.746,162.939) R10.1@186.442,162.797 ; 185.93,162.253 ccw(c185.746,162.939) R10.1@186.442,162.797 ; 185.93,162.253 ccw(c185.746,162.939) R10.1@186.442,162.797 ; 185.93,162.253 ccw(c185.746,162.939) R10.1@186.442,162.797 ; 185.93,162.253 ccw(c185.746,162.939) R10.1@186.442,162.797 ; v1@211.833,186.194 ccw(c211.756,186.574) 212.13,186.474 ; v1@211.833,186.194 ccw(c211.756,186.574) 212.13,186.474 ; v1@211.833,186.194 ccw(c211.756,186.574) 212.13,186.474 ; v1@211.833,186.194 ccw(c211.756,186.574) 212.13,186.474 ; v1@211.833,186.194 ccw(c211.756,186.574) 212.13,186.474 ; v1@211.833,186.194 ccw(c211.756,186.574) 212.13,186.474 ; v1@211.836,186.398 ccw(c211.836,186.919) 212.205,186.551 ; v1@211.836,186.398 ccw(c211.836,186.919) 212.205,186.551 ; v1@211.836,186.398 ccw(c211.836,186.919) 212.205,186.551 ; v1@211.836,186.398 ccw(c211.836,186.919) 212.205,186.551 ; v1@211.848,186.179 cw(c212.228,186.102) 212.128,186.476 ; v1@211.848,186.179 cw(c212.228,186.102) 212.128,186.476 ; v1@211.848,186.179 cw(c212.228,186.102) 212.128,186.476 ; v1@211.848,186.179 cw(c212.228,186.102) 212.128,186.476 ; v1@211.848,186.179 cw(c212.228,186.102) 212.128,186.476 ; v1@211.848,186.179 cw(c212.228,186.102) 212.128,186.476 ; v1@212.052,186.182 cw(c212.573,186.182) 212.205,186.551 ; v1@212.052,186.182 cw(c212.573,186.182) 212.205,186.551 ; v1@212.052,186.182 cw(c212.573,186.182) 212.205,186.551 ; v1@212.052,186.182 cw(c212.573,186.182) 212.205,186.551
  Bottom Layer w0.203: v1(183.642,154.94) 192.157,154.94 211.252,174.034 211.252,185.598 v1(211.836,186.182) ; v1@183.795,154.787 cw(c184.163,154.419) 184.163,154.94 ; v1@183.795,154.787 cw(c184.163,154.419) 184.163,154.94 ; v1@183.795,154.787 cw(c184.163,154.419) 184.163,154.94 ; v1@183.795,154.787 cw(c184.163,154.419) 184.163,154.94 ; v1@183.795,155.093 ccw(c184.163,155.461) 184.163,154.94 ; v1@183.795,155.093 ccw(c184.163,155.461) 184.163,154.94 ; v1@183.795,155.093 ccw(c184.163,155.461) 184.163,154.94 ; v1@183.795,155.093 ccw(c184.163,155.461) 184.163,154.94 ; 211.467,185.813 cw(c211.836,185.445) v1@211.836,185.966 ; 211.467,185.813 ccw(c211.099,186.182) v1@211.62,186.182 ; 211.467,185.813 cw(c211.836,185.445) v1@211.836,185.966 ; 211.467,185.813 ccw(c211.099,186.182) v1@211.62,186.182 ; 211.467,185.813 ccw(c211.099,186.182) v1@211.62,186.182 ; 211.467,185.813 cw(c211.836,185.445) v1@211.836,185.966 ; 211.467,185.813 ccw(c211.099,186.182) v1@211.62,186.182 ; 211.467,185.813 cw(c211.836,185.445) v1@211.836,185.966
MCU_SDIO_D1: R11.1 TF.8 U3.66 | length 101.8
  Top Layer w0.203: v1(182.753,155.956) TF.8@182.753,158.455 ; TF.8@182.891,158.593 182.891,161.913 R11.1@183.775,162.797 ; v1(211.201,186.944) 211.685,187.428 U3.66@214.595,187.428 ; v1@182.6,156.109 ccw(c182.232,156.477) 182.753,156.477 ; v1@182.6,156.109 ccw(c182.232,156.477) 182.753,156.477 ; v1@182.6,156.109 ccw(c182.232,156.477) 182.753,156.477 ; v1@182.6,156.109 ccw(c182.232,156.477) 182.753,156.477 ; TF.8@182.715,159.219 ccw(c182.291,159.643) 182.891,159.643 ; TF.8@182.715,159.219 ccw(c182.291,159.643) 182.891,159.643 ; TF.8@182.715,159.219 ccw(c182.291,159.643) 182.891,159.643 ; TF.8@182.715,159.219 ccw(c182.291,159.643) 182.891,159.643 ; 182.753,156.477 ccw(c183.274,156.477) v1@182.906,156.109 ; 182.753,156.477 ccw(c183.274,156.477) v1@182.906,156.109 ; 182.753,156.477 ccw(c183.274,156.477) v1@182.906,156.109 ; 182.753,156.477 ccw(c183.274,156.477) v1@182.906,156.109 ; 182.753,157.21 cw(c183.824,157.21) TF.8@183.067,157.967 ; 182.753,157.21 cw(c183.824,157.21) TF.8@183.067,157.967 ; 182.753,157.21 cw(c183.824,157.21) TF.8@183.067,157.967 ; 182.753,157.21 cw(c183.824,157.21) TF.8@183.067,157.967 ; 182.753,157.701 cw(c183.333,157.701) TF.8@182.923,158.111 ; 182.753,157.701 cw(c183.333,157.701) TF.8@182.923,158.111 ; 182.753,157.701 cw(c183.333,157.701) TF.8@182.923,158.111 ; 182.753,157.701 cw(c183.333,157.701) TF.8@182.923,158.111 ; 182.891,159.643 ccw(c183.491,159.643) TF.8@183.067,159.219 ; 182.891,159.643 ccw(c183.491,159.643) TF.8@183.067,159.219 ; 182.891,159.643 ccw(c183.491,159.643) TF.8@183.067,159.219 ; 182.891,159.643 ccw(c183.491,159.643) TF.8@183.067,159.219 ; 183.081,162.103 cw(c183.775,161.409) R11.1@183.775,162.39 ; 183.081,162.103 ccw(c182.387,162.797) R11.1@183.369,162.797 ; 183.081,162.103 cw(c183.775,161.409) R11.1@183.775,162.39 ; 183.081,162.103 ccw(c182.387,162.797) R11.1@183.369,162.797 ; 183.081,162.103 ccw(c182.387,162.797) R11.1@183.369,162.797 ; 183.081,162.103 cw(c183.775,161.409) R11.1@183.775,162.39 ; 183.081,162.103 ccw(c182.387,162.797) R11.1@183.369,162.797 ; 183.081,162.103 cw(c183.775,161.409) R11.1@183.775,162.39 ; 183.231,162.285 cw(c183.917,162.101) R11.1@183.775,162.797 ; 183.231,162.285 cw(c183.917,162.101) R11.1@183.775,162.797 ; 183.231,162.285 cw(c183.917,162.101) R11.1@183.775,162.797 ; 183.231,162.285 cw(c183.917,162.101) R11.1@183.775,162.797 ; 183.231,162.285 cw(c183.917,162.101) R11.1@183.775,162.797 ; 183.231,162.285 cw(c183.917,162.101) R11.1@183.775,162.797 ; 183.263,162.253 ccw(c183.079,162.939) R11.1@183.775,162.797 ; 183.263,162.253 ccw(c183.079,162.939) R11.1@183.775,162.797 ; 183.263,162.253 ccw(c183.079,162.939) R11.1@183.775,162.797 ; 183.263,162.253 ccw(c183.079,162.939) R11.1@183.775,162.797 ; 183.263,162.253 ccw(c183.079,162.939) R11.1@183.775,162.797 ; 183.263,162.253 ccw(c183.079,162.939) R11.1@183.775,162.797 ; v1@211.198,186.956 ccw(c211.121,187.336) 211.495,187.236 ; v1@211.198,186.956 ccw(c211.121,187.336) 211.495,187.236 ; v1@211.198,186.956 ccw(c211.121,187.336) 211.495,187.236 ; v1@211.198,186.956 ccw(c211.121,187.336) 211.495,187.236 ; v1@211.198,186.956 ccw(c211.121,187.336) 211.495,187.236 ; v1@211.198,186.956 ccw(c211.121,187.336) 211.495,187.236 ; v1@211.201,187.16 ccw(c211.201,187.681) 211.57,187.313 ; v1@211.201,187.16 ccw(c211.201,187.681) 211.57,187.313 ; v1@211.201,187.16 ccw(c211.201,187.681) 211.57,187.313 ; v1@211.201,187.16 ccw(c211.201,187.681) 211.57,187.313 ; v1@211.213,186.941 cw(c211.593,186.864) 211.493,187.238 ; v1@211.213,186.941 cw(c211.593,186.864) 211.493,187.238 ; v1@211.213,186.941 cw(c211.593,186.864) 211.493,187.238 ; v1@211.213,186.941 cw(c211.593,186.864) 211.493,187.238 ; v1@211.213,186.941 cw(c211.593,186.864) 211.493,187.238 ; v1@211.213,186.941 cw(c211.593,186.864) 211.493,187.238 ; v1@211.417,186.944 cw(c211.938,186.944) 211.57,187.313 ; v1@211.417,186.944 cw(c211.938,186.944) 211.57,187.313 ; v1@211.417,186.944 cw(c211.938,186.944) 211.57,187.313 ; v1@211.417,186.944 cw(c211.938,186.944) 211.57,187.313
  Bottom Layer w0.203: v1(182.753,155.956) 192.599,155.956 210.845,174.203 210.845,186.588 ; v1(211.201,186.944) 210.845,186.588 ; v1@182.906,155.803 cw(c183.274,155.435) 183.274,155.956 ; v1@182.906,155.803 cw(c183.274,155.435) 183.274,155.956 ; v1@182.906,155.803 cw(c183.274,155.435) 183.274,155.956 ; v1@182.906,155.803 cw(c183.274,155.435) 183.274,155.956 ; v1@182.906,156.109 ccw(c183.274,156.477) 183.274,155.956 ; v1@182.906,156.109 ccw(c183.274,156.477) 183.274,155.956 ; v1@182.906,156.109 ccw(c183.274,156.477) 183.274,155.956 ; v1@182.906,156.109 ccw(c183.274,156.477) 183.274,155.956 ; 210.845,186.588 cw(c211.183,186.251) v1@211.195,186.728 ; 210.845,186.588 ccw(c210.508,186.926) v1@210.985,186.938 ; 210.845,186.588 cw(c211.183,186.251) v1@211.195,186.728 ; 210.845,186.588 ccw(c210.508,186.926) v1@210.985,186.938 ; 210.845,186.588 ccw(c210.508,186.926) v1@210.985,186.938 ; 210.845,186.588 cw(c211.183,186.251) v1@211.195,186.728 ; 210.845,186.588 ccw(c210.508,186.926) v1@210.985,186.938 ; 210.845,186.588 cw(c211.183,186.251) v1@211.195,186.728
MCU_SDIO_D2: R7.1 TF.1 U3.78 | length 105.6
  Top Layer w0.203: TF.1@190.591,158.593 190.591,158.945 R7.1@194.443,162.797 ; U3.78@211.745,193.778 211.745,191.389 v1(212.217,190.917) ; TF.1@190.591,159.291 ccw(c190.591,160.128) 191.183,159.537 ; TF.1@190.591,159.291 ccw(c190.591,160.128) 191.183,159.537 ; TF.1@190.591,159.291 ccw(c190.591,160.128) 191.183,159.537 ; TF.1@190.591,159.291 ccw(c190.591,160.128) 191.183,159.537 ; TF.1@190.634,159.028 cw(c191.198,158.837) 191.044,159.413 ; TF.1@190.634,159.028 cw(c191.198,158.837) 191.044,159.413 ; TF.1@190.634,159.028 cw(c191.198,158.837) 191.044,159.413 ; TF.1@190.634,159.028 cw(c191.198,158.837) 191.044,159.413 ; TF.1@190.634,159.028 cw(c191.198,158.837) 191.044,159.413 ; TF.1@190.634,159.028 cw(c191.198,158.837) 191.044,159.413 ; TF.1@190.839,159.043 cw(c191.202,159.043) 190.946,159.299 ; TF.1@190.839,159.043 cw(c191.202,159.043) 190.946,159.299 ; TF.1@190.839,159.043 cw(c191.202,159.043) 190.946,159.299 ; TF.1@190.839,159.043 cw(c191.202,159.043) 190.946,159.299 ; 191.258,159.612 ccw(c190.85,160.02) v1@191.427,160.02 ; 191.258,159.612 ccw(c190.85,160.02) v1@191.427,160.02 ; 191.258,159.612 ccw(c190.85,160.02) v1@191.427,160.02 ; 191.258,159.612 ccw(c190.85,160.02) v1@191.427,160.02 ; 191.314,159.668 cw(c191.643,159.339) v1@191.643,159.804 ; 191.314,159.668 cw(c191.643,159.339) v1@191.643,159.804 ; 191.314,159.668 cw(c191.643,159.339) v1@191.643,159.804 ; 191.314,159.668 cw(c191.643,159.339) v1@191.643,159.804 ; 191.345,159.713 cw(c191.744,159.607) v1@191.646,160.008 ; 191.345,159.713 cw(c191.744,159.607) v1@191.646,160.008 ; 191.345,159.713 cw(c191.744,159.607) v1@191.646,160.008 ; 191.345,159.713 cw(c191.744,159.607) v1@191.646,160.008 ; 191.345,159.713 cw(c191.744,159.607) v1@191.646,160.008 ; 191.345,159.713 cw(c191.744,159.607) v1@191.646,160.008 ; 191.366,159.73 ccw(c191.272,160.081) v1@191.63,160.022 ; 191.366,159.73 ccw(c191.272,160.081) v1@191.63,160.022 ; 191.366,159.73 ccw(c191.272,160.081) v1@191.63,160.022 ; 191.366,159.73 ccw(c191.272,160.081) v1@191.63,160.022 ; 191.366,159.73 ccw(c191.272,160.081) v1@191.63,160.022 ; 191.366,159.73 ccw(c191.272,160.081) v1@191.63,160.022 ; v1@191.641,160.033 ccw(c191.582,160.391) 191.933,160.297 ; v1@191.641,160.033 ccw(c191.582,160.391) 191.933,160.297 ; v1@191.641,160.033 ccw(c191.582,160.391) 191.933,160.297 ; v1@191.641,160.033 ccw(c191.582,160.391) 191.933,160.297 ; v1@191.641,160.033 ccw(c191.582,160.391) 191.933,160.297 ; v1@191.641,160.033 ccw(c191.582,160.391) 191.933,160.297 ; v1@191.643,160.236 ccw(c191.643,160.813) 192.051,160.405 ; v1@191.643,160.236 ccw(c191.643,160.813) 192.051,160.405 ; v1@191.643,160.236 ccw(c191.643,160.813) 192.051,160.405 ; v1@191.643,160.236 ccw(c191.643,160.813) 192.051,160.405 ; v1@191.655,160.017 cw(c192.056,159.919) 191.95,160.318 ; v1@191.655,160.017 cw(c192.056,159.919) 191.95,160.318 ; v1@191.655,160.017 cw(c192.056,159.919) 191.95,160.318 ; v1@191.655,160.017 cw(c192.056,159.919) 191.95,160.318 ; v1@191.655,160.017 cw(c192.056,159.919) 191.95,160.318 ; v1@191.655,160.017 cw(c192.056,159.919) 191.95,160.318 ; v1@191.859,160.02 cw(c192.324,160.02) 191.995,160.349 ; v1@191.859,160.02 cw(c192.324,160.02) 191.995,160.349 ; v1@191.859,160.02 cw(c192.324,160.02) 191.995,160.349 ; v1@191.859,160.02 cw(c192.324,160.02) 191.995,160.349 ; 193.749,162.103 cw(c194.443,161.409) R7.1@194.443,162.39 ; 193.749,162.103 ccw(c193.055,162.797) R7.1@194.037,162.797 ; 193.749,162.103 cw(c194.443,161.409) R7.1@194.443,162.39 ; 193.749,162.103 ccw(c193.055,162.797) R7.1@194.037,162.797 ; 193.749,162.103 ccw(c193.055,162.797) R7.1@194.037,162.797 ; 193.749,162.103 cw(c194.443,161.409) R7.1@194.443,162.39 ; 193.749,162.103 ccw(c193.055,162.797) R7.1@194.037,162.797 ; 193.749,162.103 cw(c194.443,161.409) R7.1@194.443,162.39 ; 193.899,162.285 cw(c194.585,162.101) R7.1@194.443,162.797 ; 193.899,162.285 cw(c194.585,162.101) R7.1@194.443,162.797 ; 193.899,162.285 cw(c194.585,162.101) R7.1@194.443,162.797 ; 193.899,162.285 cw(c194.585,162.101) R7.1@194.443,162.797 ; 193.899,162.285 cw(c194.585,162.101) R7.1@194.443,162.797 ; 193.899,162.285 cw(c194.585,162.101) R7.1@194.443,162.797 ; 193.931,162.253 ccw(c193.747,162.939) R7.1@194.443,162.797 ; 193.931,162.253 ccw(c193.747,162.939) R7.1@194.443,162.797 ; 193.931,162.253 ccw(c193.747,162.939) R7.1@194.443,162.797 ; 193.931,162.253 ccw(c193.747,162.939) R7.1@194.443,162.797 ; 193.931,162.253 ccw(c193.747,162.939) R7.1@194.443,162.797 ; 193.931,162.253 ccw(c193.747,162.939) R7.1@194.443,162.797 ; 211.848,191.285 cw(c211.48,190.917) v1@212.001,190.917 ; 211.848,191.285 ccw(c212.217,191.654) v1@212.217,191.133 ; 211.848,191.285 cw(c211.48,190.917) v1@212.001,190.917 ; 211.848,191.285 ccw(c212.217,191.654) v1@212.217,191.133 ; 211.848,191.285 ccw(c212.217,191.654) v1@212.217,191.133 ; 211.848,191.285 cw(c211.48,190.917) v1@212.001,190.917 ; 211.848,191.285 ccw(c212.217,191.654) v1@212.217,191.133 ; 211.848,191.285 cw(c211.48,190.917) v1@212.001,190.917 ; 211.923,191.209 ccw(c212.297,191.309) v1@212.22,190.929 ; 211.923,191.209 ccw(c212.297,191.309) v1@212.22,190.929 ; 211.923,191.209 ccw(c212.297,191.309) v1@212.22,190.929 ; 211.923,191.209 ccw(c212.297,191.309) v1@212.22,190.929 ; 211.923,191.209 ccw(c212.297,191.309) v1@212.22,190.929 ; 211.923,191.209 ccw(c212.297,191.309) v1@212.22,190.929 ; 211.925,191.211 cw(c211.825,190.836) v1@212.205,190.914 ; 211.925,191.211 cw(c211.825,190.836) v1@212.205,190.914 ; 211.925,191.211 cw(c211.825,190.836) v1@212.205,190.914 ; 211.925,191.211 cw(c211.825,190.836) v1@212.205,190.914 ; 211.925,191.211 cw(c211.825,190.836) v1@212.205,190.914 ; 211.925,191.211 cw(c211.825,190.836) v1@212.205,190.914
  Bottom Layer w0.203: v1(191.643,160.02) 196.088,160.02 210.439,174.371 210.439,189.139 v1(212.217,190.917) ; v1@191.796,159.867 cw(c192.164,159.499) 192.164,160.02 ; v1@191.796,159.867 cw(c192.164,159.499) 192.164,160.02 ; v1@191.796,159.867 cw(c192.164,159.499) 192.164,160.02 ; v1@191.796,159.867 cw(c192.164,159.499) 192.164,160.02 ; v1@191.796,160.173 ccw(c192.164,160.541) 192.164,160.02 ; v1@191.796,160.173 ccw(c192.164,160.541) 192.164,160.02 ; v1@191.796,160.173 ccw(c192.164,160.541) 192.164,160.02 ; v1@191.796,160.173 ccw(c192.164,160.541) 192.164,160.02 ; 211.848,190.548 cw(c212.217,190.18) v1@212.217,190.701 ; 211.848,190.548 ccw(c211.48,190.917) v1@212.001,190.917 ; 211.848,190.548 cw(c212.217,190.18) v1@212.217,190.701 ; 211.848,190.548 ccw(c211.48,190.917) v1@212.001,190.917 ; 211.848,190.548 ccw(c211.48,190.917) v1@212.001,190.917 ; 211.848,190.548 cw(c212.217,190.18) v1@212.217,190.701 ; 211.848,190.548 ccw(c211.48,190.917) v1@212.001,190.917 ; 211.848,190.548 cw(c212.217,190.18) v1@212.217,190.701